# KiCad board AGB-E02-20.kicad_pcb
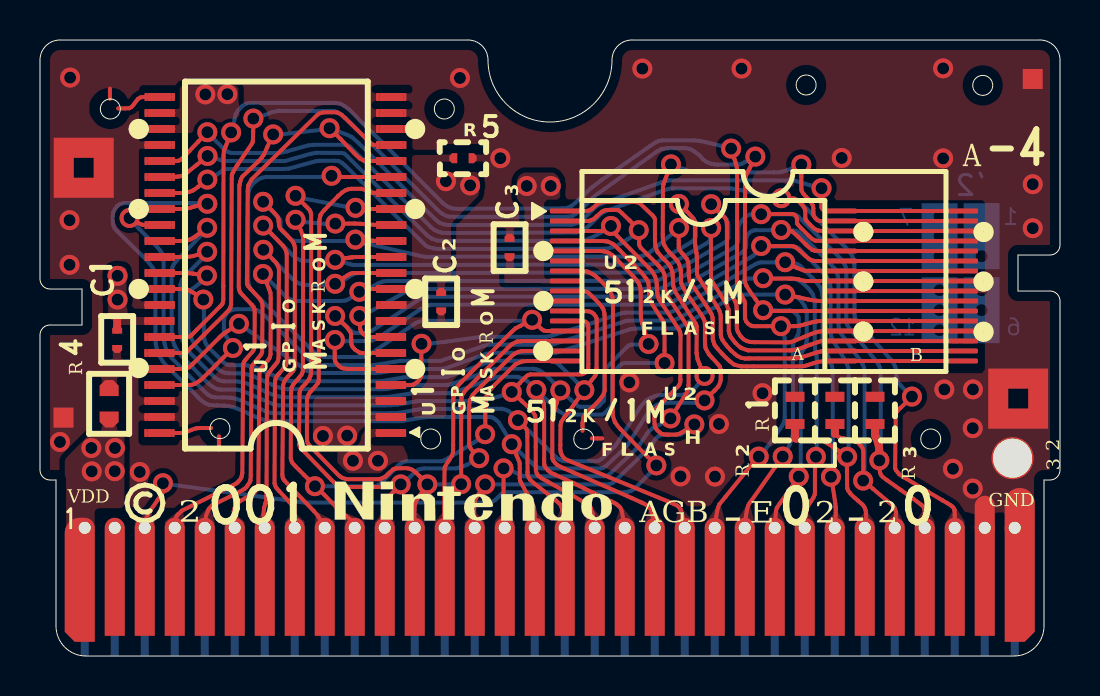
[diagram p0: board, top side]
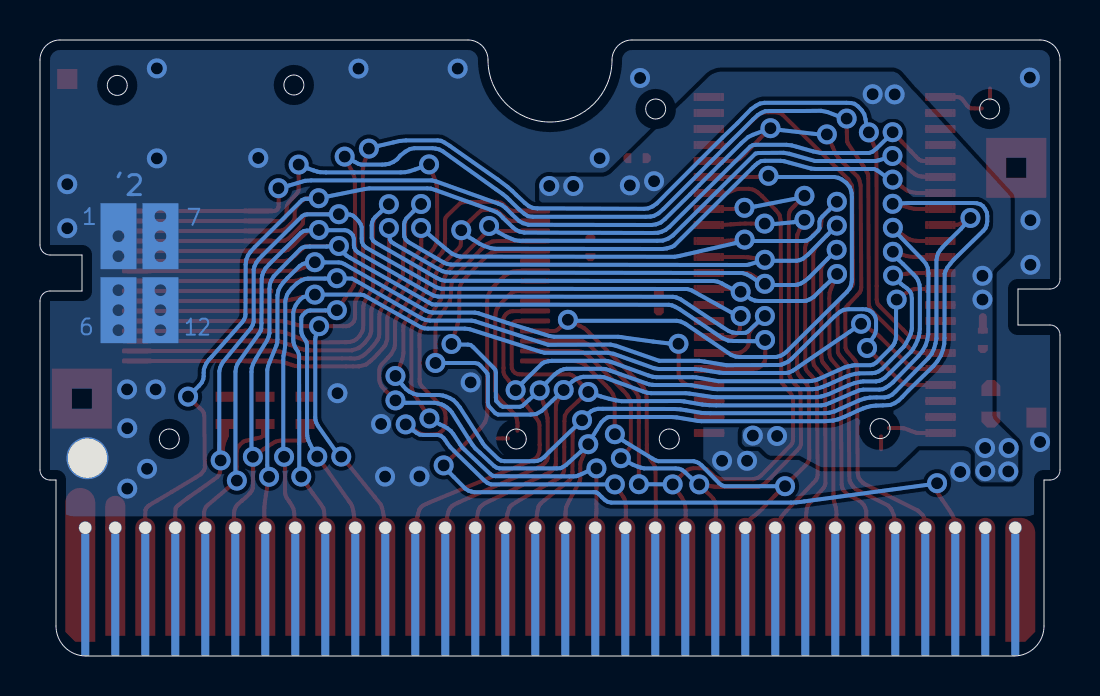
[diagram p1: board, bottom side, seen from below]

Outline 51 x 30.8 mm; copper layers: Top, Bottom. Coordinates in mm from the lower left corner of the outline.
Outline path: circle c3.52,27.35 r0.5 ; circle c9,11.37 r0.5 ; circle c19.54,10.85 r0.5 ; circle c20.22,27.35 r0.5 ; circle c27.19,10.85 r0.5 ; circle c38.31,28.55 r0.5 ; circle c44.54,10.85 r0.5 ; circle c47.14,28.53 r0.5 ; 0,29.8 arc(0.29,30.51) 1,30.8 21.4,30.8 arc(22.11,30.51) 22.4,29.8 arc(25.5,26.7) 28.6,29.8 arc(28.89,30.51) 29.6,30.8 50,30.8 arc(50.71,30.51) 51,29.8 51,20.55 arc(50.85,20.2) 50.5,20.05 48.9,20.05 48.9,18.25 50.5,18.25 arc(50.85,18.1) 51,17.75 51,9.3 arc(50.85,8.95) 50.5,8.8 50.2,8.8 50.2,1.5 arc(49.76,0.44) 48.7,0 2.3,0 arc(1.24,0.44) 0.8,1.5 0.8,8.8 0.5,8.8 arc(0.15,8.95) 0,9.3 0,16.05 arc(0.15,16.4) 0.5,16.55 2.1,16.55 2.1,18.35 0.5,18.35 arc(0.15,18.5) 0,18.85 0,29.8
Stack: Top 0.035mm / dielectric 0.71mm FR4 er 4.5 / Bottom 0.035mm

## Placement (name value [footprint] x y rotation side)
C1  C  [0402_AGB]  3.86 15.83 270 top
C2  C  [0402_AGB]  20.06 17.71 270 top
C3  C  [0402_AGB]  23.48 20.42 270 top
dateindicator  January  [01 January 2023]  46.03 19.14 180 bottom
G1  Nintendo Logo  [Nintendo-GBA-Logo]  21.11 7.8 0 top
Pad2  MountingHole_Pad  [Nintendo_3x3_GNDPad]  2.19 24.41 0 top
Pad2#2  MountingHole_Pad  [Nintendo_3x3_GNDPad]  48.91 12.87 0 top
Pad3  MountingHole_Pad  [Nintendo_1x1_Pad]  49.64 28.85 0 top
Pad4  MountingHole_Pad  [Nintendo_1x1_Pad]  1.18 11.92 0 top
PlatedHole1  MountingHole  [TestPoint_Plated_Hole_D2.0mm]  48.63 9.89 0 top
R1  NC  [0603_AGB_OPT]  37.75 12.28 270 top
R2  NC  [0603_AGB_OPT]  39.75 12.28 270 top
R3  NC  [0603_AGB_OPT]  41.75 12.28 270 top
R4  Cap  [0603_AGB]  3.46 12.61 270 top
R5  NC  [0402_AGB-Opt]  21.15 24.89 180 top
U0  CartBus  [GameBoy_GamePak_AGB-002_P1.50mm_Edge]  25.49 9.41 0 top
U1  MX23L12806-12C  [ROM]  11.96 19.55 180 top
U2  LE26FV10N1TS  [RAM]  36.4 18.5 0 top

## Library data of the parts
U0 = -: Field4: 1

## Footprints (pads in the part's own frame, mm; a bottom-side part is the same pattern mirrored in y, then rotated)
01 January 2023
  custom 0.557x0.899 smd: 1(-2.87,-2.73)
  custom 0.556x0.899 smd: 1(-2.515,2.65)
  custom 1.8x3.301 smd: 1(-1.651,-0.508) 1(-1.651,0.508) 1(0.381,-1.016) 1(0.381,1.524)
  custom 0.246x0.339 smd: 1(-0.98,4.978)
  custom 0.769x1.15 smd: 1(0.076,4.72)
  custom 0.501x0.899 smd: 1(2.72,-3.095)
  custom 0.633x0.9 smd: 1(2.92,3.066)
  custom 0.535x0.9 smd: 1(3.33,-3.07)
0402_AGB
  rrect 0.4x0.5 smd: 1(-0.49,0) 2(0.48,0)
0402_AGB-Opt
  rrect 0.4x0.5 smd: 1(-0.485,0) 2(0.485,0)
0603_AGB
  rrect 0.8x0.95 smd: 1(-0.787,0) 2(0.787,0)
0603_AGB_OPT
  rect 0.5x0.95 smd: 1(-0.68,0) 2(0.68,0)
GameBoy_GamePak_AGB-002_P1.50mm_Edge
  round 0.65 hole 0.6: 1(-23.25,-3) 2(-21.75,-3) 3(-20.25,-3) 4(-18.75,-3) 5(-17.25,-3) 6(-15.75,-3) 7(-14.25,-3) 8(-12.75,-3) 9(-11.25,-3) 10(-9.75,-3) 11(-8.25,-3) 12(-6.75,-3) 13(-5.25,-3) 14(-3.75,-3) 15(-2.25,-3) 16(-0.75,-3) 17(0.75,-3) 18(2.25,-3) 19(3.75,-3) 20(5.25,-3) 21(6.75,-3) 22(8.25,-3) 23(9.75,-3) 24(11.25,-3) 25(12.75,-3) 26(14.25,-3) 27(15.75,-3) 28(17.25,-3) 29(18.75,-3) 30(20.25,-3) 31(21.75,-3) 32(23.25,-3)
  custom 1.5x6.2 smd: 1(-23.25,-3) 32(23.25,-3)
  custom 1.002x5.901 smd: 2(-21.75,-3) 3(-20.25,-3) 4(-18.75,-3) 5(-17.25,-3) 6(-15.75,-3) 7(-14.25,-3) 8(-12.75,-3) 9(-11.25,-3) 10(-9.75,-3) 11(-8.25,-3) 12(-6.75,-3) 13(-5.25,-3) 14(-3.75,-3) 15(-2.25,-3) 16(-0.75,-3) 17(0.75,-3) 18(2.25,-3) 19(3.75,-3) 20(5.25,-3) 21(6.75,-3) 22(8.25,-3) 23(9.75,-3) 24(11.25,-3) 25(12.75,-3) 26(14.25,-3) 27(15.75,-3) 28(17.25,-3) 29(18.75,-3) 30(20.25,-3) 31(21.75,-3)
Nintendo_1x1_Pad
  rect 1x1 smd: 1(0,0)
Nintendo_3x3_GNDPad
  rect 1x1 smd: (0,0)
  custom 3x3 smd: 1(0,1)
RAM
  rrect 0.2x0.25 smd: 1(-10.8,3.75) 1(-9.5,3.75) 2(-10.8,3.25) 2(-9.5,3.25) 3(-10.8,2.75) 3(-9.5,2.75) 4(-10.8,2.25) 4(-9.5,2.25) 5(-10.8,1.75) 5(-9.5,1.75) 6(-10.8,1.25) 6(-9.5,1.25) 7(-10.8,0.75) 7(-9.5,0.75) 8(-10.8,0.25) 8(-9.5,0.25) 9(-10.8,-0.25) 9(-9.5,-0.25) 10(-10.8,-0.75) 10(-9.5,-0.75) 11(-10.8,-1.25) 11(-9.5,-1.25) 12(-10.8,-1.75) 12(-9.5,-1.75) 13(-10.8,-2.25) 13(-9.5,-2.25) 14(-10.8,-2.75) 14(-9.5,-2.75) 15(-10.8,-3.25) 15(-9.5,-3.25) 16(-10.8,-3.75) 16(-9.5,-3.75) 17(3.045,-3.75) 17(4.345,-3.75) 17(9.1,-3.75) 17(10.4,-3.75) 18(3.045,-3.25) 18(4.345,-3.25) 18(9.1,-3.25) 18(10.4,-3.25) 19(3.045,-2.75) 19(4.345,-2.75) 19(9.1,-2.75) 19(10.4,-2.75) 20(3.045,-2.25) 20(4.345,-2.25) 20(9.1,-2.25) 20(10.4,-2.25) 21(3.045,-1.75) 21(4.345,-1.75) 21(9.1,-1.75) 21(10.4,-1.75) 22(3.045,-1.25) 22(4.345,-1.25) 22(9.1,-1.25) 22(10.4,-1.25) 23(3.045,-0.75) 23(4.345,-0.75) 23(9.1,-0.75) 23(10.4,-0.75) 24(3.045,-0.25) 24(4.345,-0.25) 24(9.1,-0.25) 24(10.4,-0.25) 25(3.045,0.25) 25(4.345,0.25) 25(9.1,0.25) 25(10.4,0.25) 26(3.045,0.75) 26(4.345,0.75) 26(9.1,0.75) 26(10.4,0.75) 27(3.045,1.25) 27(4.345,1.25) 27(9.1,1.25) 27(10.4,1.25) 28(3.045,1.75) 28(4.345,1.75) 28(9.1,1.75) 28(10.4,1.75) 29(3.045,2.25) 29(4.345,2.25) 29(9.1,2.25) 29(10.4,2.25) 30(3.045,2.75) 30(4.345,2.75) 30(9.1,2.75) 30(10.4,2.75) 31(3.045,3.25) 31(4.345,3.25) 31(9.1,3.25) 31(10.4,3.25) 32(3.045,3.75) 32(4.345,3.75) 32(9.1,3.75) 32(10.4,3.75)
  rect 1.1x0.25 smd: 1(-10.15,3.75) 2(-10.15,3.25) 3(-10.15,2.75) 4(-10.15,2.25) 5(-10.15,1.75) 6(-10.15,1.25) 7(-10.15,0.75) 8(-10.15,0.25) 9(-10.15,-0.25) 10(-10.15,-0.75) 11(-10.15,-1.25) 12(-10.15,-1.75) 13(-10.15,-2.25) 14(-10.15,-2.75) 15(-10.15,-3.25) 16(-10.15,-3.75) 17(3.695,-3.75) 17(9.75,-3.75) 18(3.695,-3.25) 18(9.75,-3.25) 19(3.695,-2.75) 19(9.75,-2.75) 20(3.695,-2.25) 20(9.75,-2.25) 21(3.695,-1.75) 21(9.75,-1.75) 22(3.695,-1.25) 22(9.75,-1.25) 23(3.695,-0.75) 23(9.75,-0.75) 24(3.695,-0.25) 24(9.75,-0.25) 25(3.695,0.25) 25(9.75,0.25) 26(3.695,0.75) 26(9.75,0.75) 27(3.695,1.25) 27(9.75,1.25) 28(3.695,1.75) 28(9.75,1.75) 29(3.695,2.25) 29(9.75,2.25) 30(3.695,2.75) 30(9.75,2.75) 31(3.695,3.25) 31(9.75,3.25) 32(3.695,3.75) 32(9.75,3.75)
ROM
  rrect 0.16x0.4 smd: 1(-6.268,8.4) 1(-4.907,8.4) 2(-6.268,7.6) 2(-4.907,7.6) 3(-6.268,6.8) 3(-4.907,6.8) 4(-6.268,6) 4(-4.907,6) 5(-6.268,5.2) 5(-4.907,5.2) 6(-6.268,4.4) 6(-4.907,4.4) 7(-6.268,3.6) 7(-4.907,3.6) 8(-6.268,2.8) 8(-4.907,2.8) 9(-6.28,2) 9(-4.92,2) 10(-6.28,1.2) 10(-4.92,1.2) 11(-6.28,0.4) 11(-4.92,0.4) 12(-6.28,-0.4) 12(-4.92,-0.4) 13(-6.28,-1.2) 13(-4.92,-1.2) 14(-6.28,-2) 14(-4.92,-2) 15(-6.28,-2.8) 15(-4.92,-2.8) 16(-6.28,-3.6) 16(-4.92,-3.6) 17(-6.28,-4.4) 17(-4.92,-4.4) 18(-6.28,-5.2) 18(-4.92,-5.2) 19(-6.28,-6) 19(-4.92,-6) 20(-6.28,-6.8) 20(-4.92,-6.8) 21(-6.28,-7.6) 21(-4.92,-7.6) 22(-6.28,-8.4) 22(-4.92,-8.4) 23(5.295,-8.4) 23(6.655,-8.4) 24(5.295,-7.6) 24(6.655,-7.6) 25(5.295,-6.8) 25(6.655,-6.8) 26(5.295,-6) 26(6.655,-6) 27(5.295,-5.2) 27(6.655,-5.2) 28(5.295,-4.4) 28(6.655,-4.4) 29(5.295,-3.6) 29(6.655,-3.6) 30(5.295,-2.8) 30(6.655,-2.8) 31(5.295,-2) 31(6.655,-2) 32(5.295,-1.2) 32(6.655,-1.2) 33(5.295,-0.4) 33(6.655,-0.4) 34(5.295,0.4) 34(6.655,0.4) 35(5.295,1.2) 35(6.655,1.2) 36(5.295,2) 36(6.655,2) 37(5.308,2.8) 37(6.668,2.8) 38(5.308,3.6) 38(6.668,3.6) 39(5.308,4.4) 39(6.668,4.4) 40(5.308,5.2) 40(6.668,5.2) 41(5.308,6) 41(6.668,6) 42(5.308,6.8) 42(6.668,6.8) 43(5.308,7.6) 43(6.668,7.6) 44(5.308,8.4) 44(6.668,8.4)
  rect 1.2x0.4 smd: 1(-5.588,8.4) 2(-5.588,7.6) 3(-5.588,6.8) 4(-5.588,6) 5(-5.588,5.2) 6(-5.588,4.4) 7(-5.588,3.6) 8(-5.588,2.8) 9(-5.6,2) 10(-5.6,1.2) 11(-5.6,0.4) 12(-5.6,-0.4) 13(-5.6,-1.2) 14(-5.6,-2) 15(-5.6,-2.8) 16(-5.6,-3.6) 17(-5.6,-4.4) 18(-5.6,-5.2) 19(-5.6,-6) 20(-5.6,-6.8) 21(-5.6,-7.6) 22(-5.6,-8.4) 23(5.975,-8.4) 24(5.975,-7.6) 25(5.975,-6.8) 26(5.975,-6) 27(5.975,-5.2) 28(5.975,-4.4) 29(5.975,-3.6) 30(5.975,-2.8) 31(5.975,-2) 32(5.975,-1.2) 33(5.975,-0.4) 34(5.975,0.4) 35(5.975,1.2) 36(5.975,2) 37(5.987,2.8) 38(5.987,3.6) 39(5.987,4.4) 40(5.987,5.2) 41(5.987,6) 42(5.987,6.8) 43(5.987,7.6) 44(5.987,8.4)
TestPoint_Plated_Hole_D2.0mm
  round 2.1 hole 1.95: 1(0,0)

## Nets
+3V3: C1.1 C2.1 C3.2 R4.2 R5.2 U0.1 U1.2 U1.3 U1.9 U1.24 U1.25 U1.37 U2.8
GND: C1.2 C2.2 C3.1 dateindicator.1 Pad2.1 Pad2#2.1 Pad3.1 Pad4.1 PlatedHole1.1 R1.1 R2.1 R3.1 R4.1 R5.1 U0.31 U0.32 U1.1 U1.8 U1.20 U1.21 U1.22 U1.26 U1.36 U1.42 U1.43 U2.6 U2.10 U2.24
A0: U0.6 U1.10 U2.20
A1: U0.7 U1.11 U2.19
A2: U0.8 U1.12 U2.18
A3: U0.9 U1.13 U2.17
A4: U0.10 U1.14 U2.16
A5: U0.11 U1.15 U2.15
A6: U0.12 U1.16 U2.14
A7: U0.13 U1.17 U2.13
A8: U0.14 U1.28 U2.3
A9: U0.15 U1.29 U2.2
A10: U0.16 U1.30 U2.31
A11: U0.17 U1.31 U2.1
A12: U0.18 U1.32 U2.12
A13: U0.19 U1.33 U2.4
A14: U0.20 U1.34 U2.5
A15: U0.21 U1.35 U2.11
CS: U0.5 U1.19
CS2: U0.30 U1.27 U2.30
D0: U0.22 U1.38 U2.21
D1: U0.23 U1.39 U2.22
D2: U0.24 U1.40 U2.23
D3: U0.25 U1.41 U2.25
D4: U0.26 U1.4 U2.26
D5: R1.2 U0.27 U1.5 U2.27
D6: R2.2 U0.28 U1.6 U2.28
D7: R3.2 U0.29 U1.7 U2.29
RD: U0.4 U1.18 U2.32
WR: U0.3 U2.7

Pads without a net: U0 2; U1 23 44; U2 9

## Via types
v1: diameter 1, hole 0.6, Top to Bottom, 124 vias

## Routing (per net, layer and track width the routed paths; a pad name or vN(x,y) marks a point on that pad's centre or on a via; arc(x,y) is an arc through that point)
+3V3: length 10.1
  Top w0.1: U1.24 U1.24 ; 6.65,16.75 U1.37 ; U1.25 U1.25 ; U1.3 U1.3 ; U1.9 U1.9 ; U1.2 U1.2
  Top w0.2: U1.9 U1.9 ; U1.3 U1.3 ; U1.24 U1.24 ; U1.25 U1.25 ; U2.8 U2.8 ; U1.2 U1.2 ; 5.29,16.75 U1.37
  Top w0.4: C1.1 3.86,16.94
  vias: v1(2.57,10.4) v1(2.59,9.23) v1(3.75,10.4) v1(3.74,9.24) v1(3.88,19.01) v1(3.88,17.82) v1(8.27,28.08) v1(9.37,28.09) v1(14.15,11) v1(15.36,11.02) v1(20.3,23.74) v1(21.51,23.53) v1(24.34,23.5) v1(25.54,23.5)
GND: length 22.1
  Top w0.1: U1.8 U1.8 ; U1.26 U1.26 ; U1.1 U1.1 ; U1.36 U1.36
  Top w0.2: 28.12,10.88 27.6,10.88 ; 8.95,10.98 8.95,10.34 ; U1.36 U1.36 ; 3.5,27.86 3.5,28.37 ; U1.1 U1.1 ; U2.24 U2.24 U2.24 ; 6.65,11.95 5.29,11.95 ; 5.29,12.75 6.65,12.75 ; U1.26 U1.26 ; U2.6 U2.6 ; U2.10 U2.10 ; U1.8 U1.8
  Top w1: U0.31 47.24,7.51
  Top w1.5: 48.99,6.41 48.99,7.65
  vias: v1(1,10.7) v1(1.48,21.79) v1(1.48,19.56) v1(1.51,28.92) v1(4.99,9.2) v1(15.65,9.76) v1(16.9,9.76) v1(21,28.9) v1(23.02,24.89) v1(29.47,13.68) v1(30.12,29.37) v1(32.03,8.98) v1(33.75,8.97) v1(33.95,11.6) v1(35.08,29.37) v1(36.13,13.14) v1(40.09,24.9) v1(45.16,29.38) v1(45.16,24.88) v1(45.22,13.33) v1(45.65,9.36) v1(46.65,13.33) v1(46.64,11.39) v1(46.64,8.37) v1(49.64,23.59) v1(49.64,21.39)
A0: length 61.6
  Top w0.1: U1.10 U1.10
  Top w0.2: U1.10 U1.10 16.53,18.35 16.5,18.35 arc(16.28,18.32) 16.06,18.26 15.96,18.23 ; 11.17,19.13 11.26,18.84 arc(11.29,18.75) 11.32,18.66 11.42,18.43 arc(11.45,18.37) 11.47,18.31 11.52,18.17 11.52,18.16 arc(11.53,18.02) 11.54,17.88 11.53,15.08 11.49,14.93 11.42,14.81 11,14.32 10.98,14.19 10.92,8.57 10.89,8.42 10.83,8.29 10.7,8.14 10.59,8.05 10.3,7.9 arc(10.27,7.89) 10.24,7.87 10.03,7.76 9.9,7.65 9.81,7.54 9.74,7.41 9.69,7.24 9.69,7.01 arc(9.69,6.91) 9.7,6.81 U0.6 ; U2.20 U2.20 U2.20 39.32,16.25 arc(39.26,16.25) 39.19,16.25 39.18,16.25 arc(39.11,16.24) 39.03,16.23 38.9,16.21 38.79,16.18 arc(38.68,16.15) 38.56,16.1 37.73,15.76 arc(37.65,15.73) 37.56,15.7 37.52,15.69 37.39,15.68 arc(37.33,15.68) 37.27,15.68 35.76,15.69 arc(35.72,15.69) 35.68,15.69 35.51,15.7 35.34,15.75 35.18,15.84 35.04,15.98 35.01,16.02 arc(34.96,16.1) 34.91,16.18 34.89,16.23 34.85,16.35 34.85,16.37 arc(34.84,16.46) 34.84,16.55 34.84,17.27 arc(34.84,17.32) 34.83,17.37 34.83,17.51 34.79,17.67 34.76,17.72 arc(34.73,17.79) 34.69,17.86 34.64,17.93 arc(34.64,17.94) 34.63,17.95 34.48,18.2 arc(34.46,18.23) 34.44,18.26 34.38,18.37 34.35,18.5 34.35,21.47 arc(34.35,21.54) 34.34,21.61 34.34,21.69 34.3,21.83 34.23,21.93 34.03,22.12 arc(34,22.15) 33.97,22.18 33.56,22.61
  Bottom w0.2: v1(11.15,19.1) 11.52,18.72 11.76,18.5 12.03,18.24 12.32,17.95 12.52,17.83 12.69,17.76 12.83,17.75 15.06,17.75 15.26,17.77 15.44,17.84 v1(15.97,18.21) 16.39,18.35 16.68,18.5 16.91,18.63 17.13,18.72 17.33,18.75 30.75,18.76 30.94,18.8 31.16,18.9 34.21,20.66 34.35,20.77 34.42,20.91 34.42,21.53 34.4,21.67 34.35,21.81 34.25,21.94 33.99,22.18 v1(33.56,22.59)
A1: length 60.5
  Top w0.1: U1.11 U1.11
  Top w0.2: 14.75,18.59 15.08,18.84 arc(15.14,18.88) 15.2,18.92 15.33,19.01 arc(15.36,19.02) 15.38,19.03 15.51,19.11 15.64,19.15 U1.11 U1.11 ; 11.18,20.32 11.43,20.06 arc(11.45,20.04) 11.46,20.02 11.66,19.81 arc(11.69,19.78) 11.72,19.75 11.8,19.67 11.84,19.61 arc(11.86,19.57) 11.88,19.53 11.92,19.46 11.95,19.35 11.93,14.91 11.91,14.79 11.87,14.69 11.83,14.64 arc(11.8,14.6) 11.77,14.56 11.7,14.49 arc(11.68,14.46) 11.66,14.43 11.55,14.3 arc(11.52,14.26) 11.49,14.22 11.44,14.15 11.38,14.03 arc(11.35,13.86) 11.35,13.69 11.33,8.12 arc(11.33,8.05) 11.32,7.98 11.31,7.77 11.27,7.65 arc(11.27,7.62) 11.26,7.59 11.21,7.42 11.2,7.37 arc(11.18,7.22) 11.18,7.07 11.18,7.07 arc(11.18,6.96) 11.19,6.85 U0.7 ; U2.19 U2.19 U2.19 39.28,15.75 arc(39.23,15.75) 39.17,15.75 39.05,15.74 38.89,15.69 arc(38.85,15.68) 38.8,15.66 38.52,15.56 arc(38.51,15.56) 38.5,15.56 38.3,15.49 arc(38.29,15.48) 38.27,15.47 38.11,15.41 arc(38.03,15.38) 37.94,15.36 37.82,15.32 37.78,15.31 arc(37.66,15.29) 37.53,15.28 37.48,15.28 35.42,15.28 35.38,15.29 arc(35.23,15.34) 35.08,15.4 35.05,15.41 35.03,15.42 arc(34.89,15.54) 34.77,15.66 34.75,15.68 34.65,15.8 arc(34.61,15.86) 34.57,15.92 34.51,16.01 34.48,16.09 arc(34.47,16.14) 34.45,16.19 34.44,16.26 34.44,17.1 arc(34.44,17.16) 34.43,17.22 34.43,17.32 34.41,17.37 arc(34.37,17.47) 34.33,17.57 34.32,17.6 34.22,17.76 arc(34.21,17.78) 34.2,17.8 33.72,18.55 arc(33.7,18.58) 33.68,18.61 33.6,18.75 33.56,18.87 33.55,18.99 arc(33.55,19.05) 33.55,19.11 33.55,21.37
  Bottom w0.2: v1(11.17,20.31) 11.64,19.84 12.56,18.91 12.77,18.74 12.95,18.63 13.12,18.57 13.27,18.55 14.41,18.55 v1(14.76,18.61) 15.18,18.78 15.46,18.97 15.66,19.08 15.89,19.15 16.07,19.15 30.5,19.17 30.7,19.19 30.88,19.24 31.11,19.36 33.29,20.61 33.44,20.71 33.51,20.82 v1(33.56,21.4)
A2: length 64.9
  Top w0.1: U1.12 U1.12
  Top w0.2: 14.79,19.83 15.26,19.89 arc(15.3,19.89) 15.33,19.9 15.52,19.92 arc(15.56,19.93) 15.6,19.93 15.63,19.94 arc(15.74,19.95) 15.85,19.95 U1.12 U1.12 ; 31.95,22.64 32.1,22.49 arc(32.16,22.44) 32.21,22.38 32.32,22.26 arc(32.34,22.24) 32.36,22.22 32.48,22.09 arc(32.54,22.02) 32.61,21.94 32.69,21.84 32.74,21.73 32.74,21.66 arc(32.75,21.59) 32.75,21.52 32.75,20.81 arc(32.75,20.75) 32.75,20.69 32.75,20.64 arc(32.76,20.59) 32.76,20.54 32.77,20.47 arc(32.78,20.42) 32.79,20.37 32.81,20.22 arc(32.82,20.19) 32.82,20.16 32.83,20.13 arc(32.84,20.05) 32.84,19.97 32.84,19.94 arc(32.85,19.88) 32.85,19.82 32.85,19.28 arc(32.85,19.19) 32.86,19.1 32.86,19.08 32.91,18.96 33,18.82 arc(33.01,18.81) 33.01,18.8 33.42,18.17 arc(33.43,18.16) 33.44,18.15 33.84,17.49 arc(33.9,17.39) 33.96,17.28 33.99,17.22 34.03,17.08 34.03,16.94 arc(34.04,16.89) 34.04,16.84 34.04,16.07 34.06,15.95 34.11,15.83 34.14,15.78 arc(34.21,15.67) 34.29,15.57 34.37,15.47 arc(34.44,15.39) 34.51,15.32 34.58,15.25 arc(34.66,15.17) 34.74,15.1 34.86,15.01 35.06,14.91 35.27,14.87 35.42,14.88 arc(35.47,14.88) 35.52,14.88 37.78,14.88 37.82,14.89 arc(37.94,14.9) 38.05,14.93 38.1,14.94 38.72,15.14 arc(38.75,15.15) 38.77,15.16 38.84,15.18 arc(38.92,15.2) 38.99,15.22 39.06,15.23 39.21,15.24 arc(39.23,15.24) 39.24,15.24 U2.18 U2.18 U2.18 ; U0.8 12.7,6.98 arc(12.7,6.98) 12.7,6.98 12.68,7.17 arc(12.67,7.26) 12.66,7.35 12.66,7.38 12.62,7.5 12.56,7.6 12.48,7.69 arc(12.47,7.7) 12.45,7.71 11.95,8.25 arc(11.91,8.3) 11.87,8.35 11.82,8.41 11.76,8.52 11.73,8.63 11.75,13.7 11.78,13.85 11.84,13.99 11.91,14.07 arc(11.93,14.09) 11.94,14.11 12.15,14.35 arc(12.22,14.44) 12.29,14.54 12.31,14.56 12.34,14.7 12.34,20.07 12.32,20.21 12.25,20.37 12.16,20.5 11.61,21.07 arc(11.6,21.08) 11.59,21.09 11.16,21.55
  Bottom w0.2: v1(31.95,22.6) 32.36,22.2 32.69,21.87 32.77,21.72 32.8,21.58 32.8,21.11 32.79,20.97 32.72,20.82 32.57,20.69 30.81,19.67 30.64,19.6 30.46,19.57 15.67,19.55 15.53,19.58 v1(14.76,19.81) 14.41,19.76 13.17,19.76 13.03,19.79 12.86,19.86 12.6,20.07 11.68,21.01 v1(11.16,21.52)
A3: length 62.7
  Top w0.1: U1.13 U1.13
  Top w0.2: U2.17 U2.17 U2.17 39.23,14.74 arc(39.22,14.74) 39.21,14.74 39.19,14.74 arc(39.03,14.72) 38.86,14.69 38.85,14.69 38.71,14.65 arc(38.68,14.64) 38.64,14.63 38.44,14.56 arc(38.41,14.55) 38.37,14.54 38.24,14.5 38.22,14.5 arc(38.09,14.48) 37.95,14.48 35.07,14.48 35.06,14.48 arc(34.89,14.52) 34.72,14.57 34.69,14.58 34.55,14.69 arc(34.54,14.7) 34.52,14.71 34.44,14.78 arc(34.36,14.85) 34.28,14.93 34.13,15.09 arc(34.11,15.11) 34.08,15.14 33.89,15.35 arc(33.85,15.4) 33.81,15.45 33.74,15.54 33.71,15.63 arc(33.69,15.68) 33.67,15.73 33.64,15.85 33.64,16.72 arc(33.64,16.8) 33.63,16.88 33.63,16.93 33.59,17.07 33.52,17.18 arc(33.52,17.19) 33.51,17.2 33.37,17.44 arc(33.34,17.49) 33.3,17.54 32.58,18.59 arc(32.57,18.62) 32.55,18.65 32.5,18.73 32.49,18.75 arc(32.47,18.84) 32.45,18.93 32.44,19.01 32.44,19.18 arc(32.44,19.21) 32.44,19.24 32.43,19.45 arc(32.42,19.56) 32.41,19.67 32.41,19.7 32.35,19.84 32.33,19.87 arc(32.25,19.97) 32.17,20.06 32.11,20.13 arc(32.09,20.16) 32.06,20.19 31.99,20.28 31.94,20.43 31.94,21.4 ; U0.9 14.02,6.8 arc(13.98,6.88) 13.93,6.96 13.9,6.99 arc(13.8,7.13) 13.69,7.25 12.34,8.65 arc(12.28,8.71) 12.22,8.77 12.19,8.82 12.14,8.92 12.12,9.06 12.16,13.54 12.21,13.71 12.3,13.86 12.4,13.98 arc(12.41,13.98) 12.41,13.98 12.52,14.11 arc(12.53,14.11) 12.53,14.11 12.64,14.23 12.71,14.33 12.74,14.48 12.75,20.41 12.72,20.55 12.65,20.7 12.53,20.85 arc(12.5,20.88) 12.47,20.91 12.34,21.05 arc(12.29,21.11) 12.23,21.16 12.16,21.23 arc(12.14,21.25) 12.11,21.27 12.01,21.38 11.96,21.5 11.94,21.6 arc(11.94,21.66) 11.93,21.72 11.93,21.82 11.89,21.94 11.84,22 arc(11.8,22.06) 11.74,22.12 11.7,22.18 arc(11.65,22.23) 11.59,22.28 v1(11.16,22.71) ; U1.13 U1.13 16.68,20.76 arc(16.66,20.76) 16.64,20.76 16.57,20.77 arc(16.51,20.77) 16.44,20.77 16.44,20.77 arc(16.4,20.77) 16.36,20.77 16.23,20.78 arc(16.15,20.78) 16.06,20.79 15.76,20.83
  Bottom w0.2: v1(31.95,21.4) 30.64,20.3 30.41,20.12 30.15,20.01 29.98,19.97 19.28,19.96 19.04,20 16.25,20.64 v1(15.77,20.82) 15.36,20.75 12.84,20.75 12.67,20.77 12.5,20.87 12.34,21.02 12.09,21.27 12.03,21.39 12.03,21.72 12,21.84 11.89,21.97 11.57,22.28 v1(11.16,22.71)
A4: length 39
  Top w0.1: U1.14 U1.14
  Top w0.2: 22.27,11.11 22.27,12.62 arc(22.27,12.72) 22.28,12.82 22.29,12.91 22.35,13.08 22.37,13.12 arc(22.44,13.22) 22.52,13.32 22.58,13.39 arc(22.64,13.46) 22.7,13.53 23.77,14.58 23.84,14.62 arc(23.91,14.65) 23.97,14.68 24.08,14.72 24.11,14.73 arc(24.27,14.74) 24.42,14.75 U2.16 U2.16 ; 14.8,21.63 15.16,21.62 arc(15.19,21.62) 15.21,21.62 15.72,21.62 arc(15.75,21.62) 15.78,21.62 16,21.61 arc(16.08,21.61) 16.15,21.6 16.21,21.6 arc(16.27,21.59) 16.32,21.59 16.44,21.58 arc(16.46,21.58) 16.48,21.58 U1.14 U1.14 ; v1(13.75,8.49) 13.42,8.84 arc(13.4,8.86) 13.38,8.88 12.79,9.47 arc(12.74,9.52) 12.69,9.58 12.62,9.66 12.57,9.77 12.54,9.89 12.56,13.13 arc(12.56,13.27) 12.58,13.41 12.58,13.41 12.65,13.55 12.67,13.58 arc(12.76,13.7) 12.87,13.81 12.89,13.83 12.94,13.89 arc(12.99,13.95) 13.03,14.01 13.09,14.09 13.14,14.21 13.14,14.34 arc(13.15,14.39) 13.15,14.44 13.16,20.77 arc(13.15,20.9) 13.14,21.03 13.14,21.05 13.12,21.09 arc(13.08,21.19) 13.04,21.29 12.79,21.81 ; 13.77,8.49 14.21,8.07 arc(14.24,8.04) 14.27,8.01 14.9,7.35 arc(14.96,7.29) 15.01,7.24 15.11,7.16 arc(15.15,7.12) 15.19,7.09 15.29,7.01 arc(15.3,7) 15.31,6.99 15.48,6.86 U0.10
  Bottom w0.2: v1(14.77,21.62) 14.27,21.6 13.32,21.69 13.2,21.71 v1(12.78,21.81) ; v1(22.26,11.09) 21.86,10.78 21.66,10.65 20.38,9.87 20.22,9.78 20.09,9.74 18.32,9.74 18.18,9.7 18.07,9.65 17.92,9.53 17.05,8.64 16.92,8.54 16.77,8.49 v1(13.75,8.49)
A5: length 40.8
  Top w0.1: U1.15 U1.15
  Top w0.2: U1.15 U1.15 16.31,22.35 arc(16.18,22.35) 16.04,22.37 15.81,22.4 ; 12.76,23.05 13.24,22.54 arc(13.26,22.53) 13.27,22.52 13.34,22.45 arc(13.37,22.42) 13.4,22.39 13.48,22.3 13.53,22.2 13.56,22.06 13.56,14.32 arc(13.55,14.23) 13.55,14.14 13.55,14.12 13.52,13.99 13.46,13.85 13.44,13.83 arc(13.36,13.72) 13.27,13.62 13.27,13.61 arc(13.26,13.6) 13.25,13.59 13.1,13.43 13.01,13.28 12.98,13.15 12.95,10.8 arc(12.95,10.73) 12.95,10.66 12.96,10.56 13,10.45 13.03,10.41 arc(13.09,10.34) 13.15,10.28 14.59,8.79 arc(14.64,8.74) 14.69,8.69 14.83,8.57 14.96,8.5 15.1,8.46 15.18,8.45 arc(15.25,8.45) 15.31,8.45 16.99,8.45 arc(17.08,8.45) 17.17,8.46 17.26,8.47 arc(17.3,8.47) 17.33,8.47 17.42,8.49 arc(17.46,8.49) 17.49,8.5 17.64,8.52 arc(17.65,8.52) 17.65,8.52 v1(18.04,8.58) ; U0.11 17.21,7.12 arc(17.21,7.12) 17.21,7.12 17.2,7.34 17.2,7.38 arc(17.22,7.53) 17.26,7.68 17.27,7.72 17.34,7.86 17.34,7.86 arc(17.49,8.03) 17.65,8.18 17.7,8.22 18.09,8.6 ; U2.15 U2.15 24.28,15.25 arc(24.22,15.25) 24.15,15.25 24.07,15.24 23.94,15.21 23.84,15.17 23.73,15.11 arc(23.62,15.03) 23.52,14.94 23.39,14.81 arc(23.38,14.8) 23.36,14.79 21.87,13.3 arc(21.87,13.3) 21.86,13.3 21.83,13.26 arc(21.74,13.17) 21.66,13.06 21.61,13 21.52,12.83 21.51,12.81 arc(21.48,12.68) 21.46,12.54 21.46,12.52 21.46,10.63 21.48,10.49 21.54,10.37 21.64,10.24 arc(21.67,10.21) 21.7,10.18 21.98,9.86
  Bottom w0.2: v1(15.78,22.41) 15.22,22.48 13.16,22.88 v1(12.78,23.01) ; v1(18.04,8.58) 18.48,8.93 18.74,9.18 18.91,9.31 19.05,9.36 19.22,9.38 20.8,9.38 20.97,9.42 21.12,9.47 21.35,9.56 v1(21.96,9.89)
A6: length 38.8
  Top w0.1: U1.16 U1.16
  Top w0.2: U0.12 18.72,7.03 arc(18.72,7.06) 18.72,7.09 18.72,7.27 18.72,7.31 arc(18.73,7.47) 18.76,7.62 18.77,7.66 18.8,7.72 arc(18.85,7.82) 18.91,7.91 18.93,7.95 arc(18.96,7.99) 18.98,8.03 19.38,8.58 ; 17.55,23.15 16.62,23.16 16.59,23.17 arc(16.52,23.2) 16.44,23.24 16.4,23.26 16.3,23.29 arc(16.2,23.33) 16.09,23.35 16.07,23.36 15.56,23.36 15.39,23.33 15.27,23.28 15.14,23.2 15.09,23.16 arc(15,23.09) 14.91,23.01 14.9,23 arc(14.9,22.99) 14.89,22.98 14.23,22.31 14.21,22.29 arc(14.12,22.19) 14.04,22.08 14.03,22.06 14.01,21.99 arc(14,21.93) 13.99,21.87 13.97,21.75 13.97,21.58 arc(13.97,21.58) 13.97,21.58 13.94,13.76 13.91,13.66 13.9,13.66 arc(13.83,13.56) 13.76,13.47 13.64,13.33 arc(13.6,13.29) 13.56,13.25 13.5,13.19 13.43,13.07 13.37,12.92 13.35,12.8 13.35,10.97 arc(13.35,10.89) 13.35,10.81 13.36,10.76 13.39,10.64 13.47,10.53 14.94,9.03 15.03,8.96 15.13,8.9 15.35,8.84 16.93,8.84 17.05,8.86 17.09,8.88 arc(17.16,8.91) 17.22,8.95 17.27,8.97 17.37,9.06 arc(17.4,9.09) 17.43,9.12 17.48,9.17 arc(17.56,9.25) 17.64,9.32 17.66,9.33 17.76,9.37 17.83,9.38 arc(17.94,9.39) 18.05,9.39 18.34,9.39 18.49,9.36 18.62,9.31 18.7,9.24 arc(18.75,9.21) 18.79,9.18 18.8,9.16 arc(18.88,9.09) 18.96,9.01 19.01,8.96 arc(19.02,8.95) 19.02,8.94 v1(19.37,8.58) ; U2.14 U2.14 24.21,15.75 arc(24.15,15.75) 24.09,15.75 24.07,15.75 arc(23.98,15.74) 23.88,15.73 23.85,15.72 23.83,15.71 arc(23.72,15.66) 23.62,15.6 23.59,15.58 23.52,15.52 arc(23.46,15.47) 23.4,15.41 21.38,13.39 arc(21.35,13.36) 21.32,13.33 21.23,13.23 21.21,13.21 arc(21.14,13.09) 21.08,12.96 21.08,12.96 21.07,12.84 arc(21.07,12.79) 21.07,12.74 21.06,11.71 arc(21.06,11.7) 21.06,11.69 21.06,8.77
  Bottom w0.2: v1(19.37,8.58) v1(21.06,8.59)
A7: length 43.8
  Top w0.1: U1.17 U1.17
  Top w0.2: U2.13 U2.13 25.3,16.25 25.18,16.28 25.09,16.34 25.01,16.41 arc(24.98,16.44) 24.94,16.47 v1(24.61,16.81) ; U0.13 20.21,7.04 arc(20.21,7.08) 20.21,7.13 20.21,7.39 arc(20.21,7.4) 20.21,7.41 20.23,9.32 20.25,9.45 20.26,9.48 arc(20.32,9.59) 20.39,9.69 20.4,9.72 arc(20.42,9.74) 20.43,9.76 20.47,9.82 arc(20.53,9.91) 20.59,10.01 20.6,10.02 20.65,10.16 20.65,10.26 arc(20.66,10.32) 20.66,10.38 20.66,10.55 arc(20.66,10.55) 20.66,10.55 20.67,12.79 arc(20.67,12.87) 20.67,12.95 20.69,13.11 20.7,13.15 arc(20.76,13.29) 20.83,13.42 20.84,13.43 20.88,13.49 arc(20.94,13.56) 21,13.63 21.03,13.66 arc(21.06,13.69) 21.09,13.72 21.53,14.17 arc(21.54,14.17) 21.54,14.17 22.95,15.58 arc(22.96,15.58) 22.96,15.58 23.57,16.19 arc(23.62,16.24) 23.67,16.28 23.78,16.38 23.81,16.4 arc(23.9,16.45) 23.98,16.49 24.03,16.51 24.63,16.84 ; 14.59,24.01 14.91,23.97 arc(14.99,23.96) 15.06,23.96 15.14,23.95 arc(15.19,23.95) 15.24,23.95 U1.17 U1.17
  Bottom w0.2: v1(14.58,24.01) 14.08,23.95 11.29,23.95 11.09,23.91 10.92,23.83 10.69,23.66 10.52,23.45 10.45,23.27 10.42,23.14 10.41,22.93 10.41,18.85 10.42,18.71 10.46,18.51 10.53,18.37 10.65,18.21 13.7,15.19 13.83,15.09 13.98,15.01 14.19,14.95 16.02,14.95 16.22,14.97 16.44,15.05 18.73,16.61 18.96,16.72 19.16,16.76 24.15,16.76 v1(24.61,16.81)